# Altium PCB RevA3.PcbDoc (part 1 of 5) (continued)
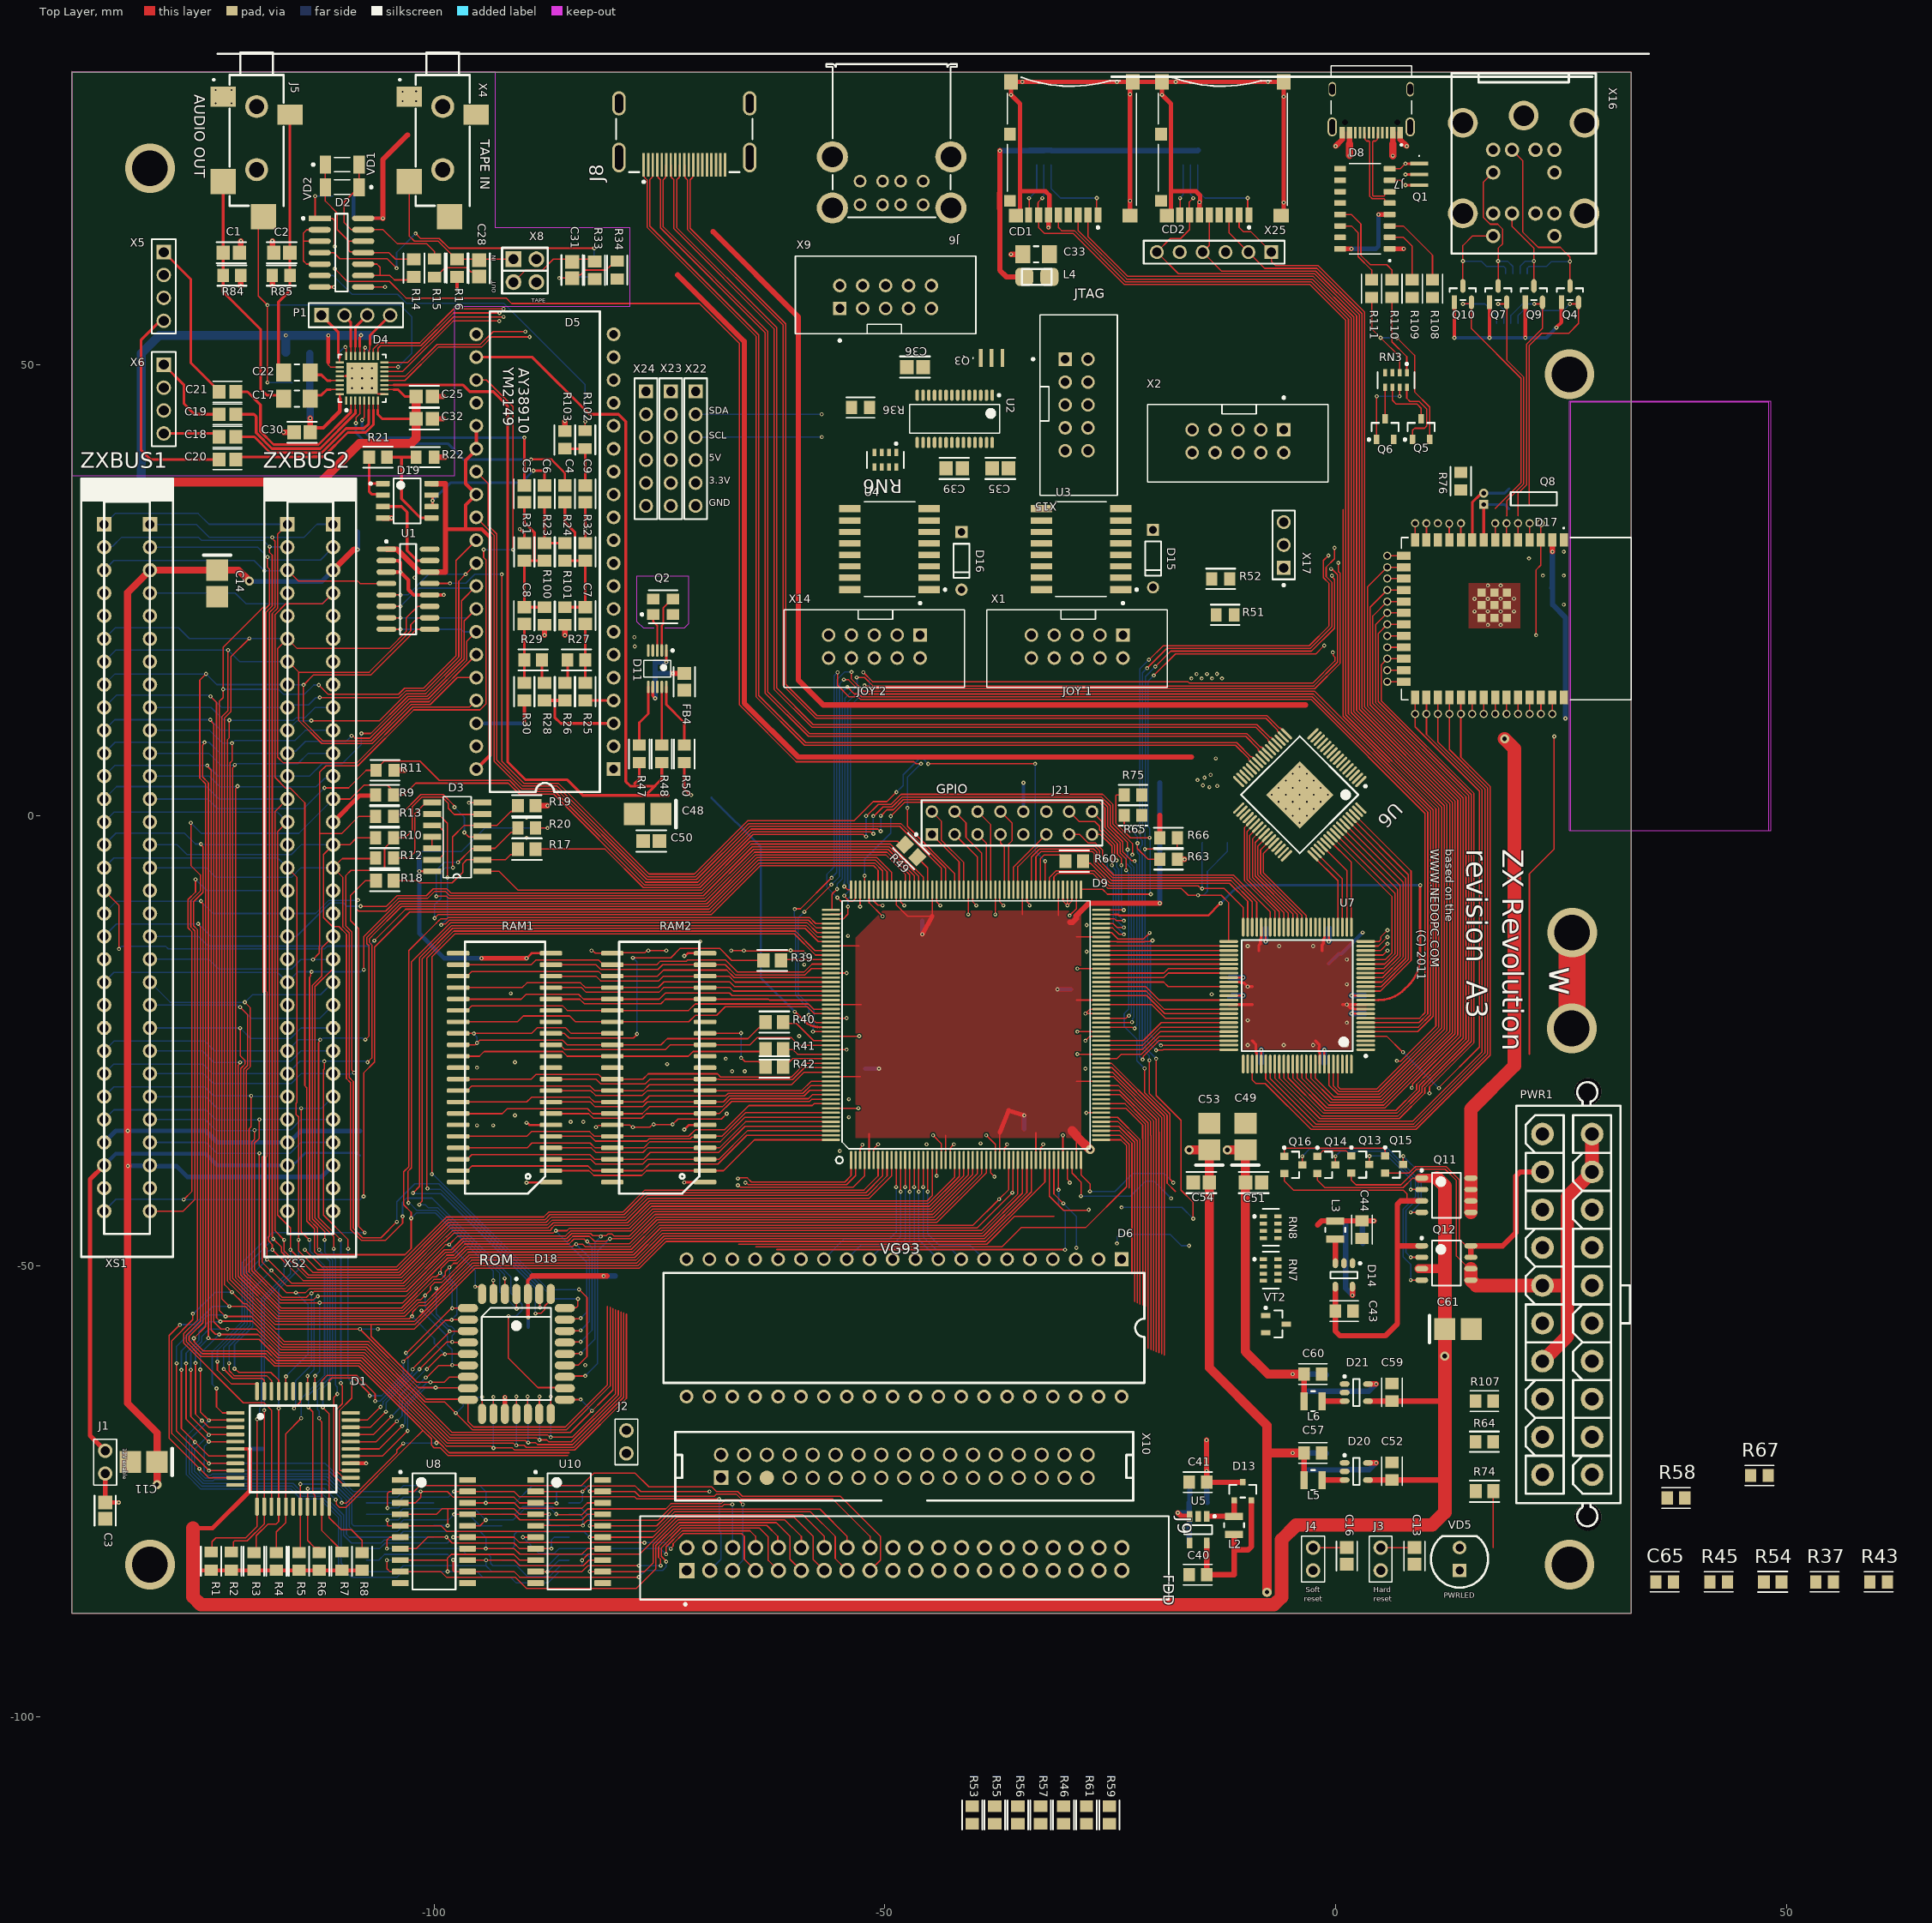
[diagram p0: Top Layer view]
## Components (designator, comment, footprint, x,y, rotation, side; value= is the part's Value field where it differs from the comment) (continued)
D7 "07" SO14 -44.917,-59.5 r90 bottom value=74HCT07
D8 "CH340G" SOIC127P600X180-16N 3.25,67.305 r180 top locked
D9 "EP1K50Q208" PQFP208X5 -53.75,-38.25 r90 top locked
D10 "138" SO16 -59.843,-59.5 r90 bottom value=74HCT138
D11 "Si5351A-B-GT" SLAB-MSOP-10_L -75.25,16.275 r270 top value=SI5351A-B-GT
D12 "06" SO14 -28.715,-59.5 r90 bottom value=74HCT06
D13 "BAT54C,215" FP-SOT23-MFG -10.3,-75 r90 top value=10pF
D14 "NCP1529" TSOP-95-5N 0.924,-51 r270 top
D15 "BAT46" STM-DO-35-2 -20.25,28.497 r270 top
D16 "BAT46" STM-DO-35-2 -41.5,28.247 r270 top
D17 "ESP32-S3-WROOM-1" ESP32S3WROOM1 20.062,21.825 r270 top locked
D18 "SST39SF040-70-4C-NHE" MCHP-PLCC-NH32_L -90.88,-59.76 r0 top locked
D19 "LM358DR" FP-D0008A-MFG -103,34.905 r0 top
D20 "NCP1529" TSOP-95-5N 2.3,-72.8 r0 top
D21 "NCP1529" TSOP-95-5N 2.3,-64.05 r0 top
FB4 "BLM21AG601SN1J" FP-BLM21-0_2-t0_85-e0_5-IPC_A -72.25,14.824 r90 top
J1 "JUMPER" JUMPER_JUMPER(Primary) -136.5,-73.04 r90 top value=PLS-2
J2 "JUMPER" JUMPER_JUMPER(Primary) -78.674,-68.25 r270 top value=PLS-2
J3 "JUMPER" JUMPER_JUMPER(Primary) 5,-81.25 r270 top value=PLS-2
J4 "JUMPER" JUMPER_JUMPER(Primary) -2.5,-81.25 r270 top value=PLS-2
J5 "SJ-3524-SMT-TR" SJ-3524-SMT-TR -116.7,82.15 r270 top
J6 "61400826021" 61400826021 -49.25,74.86 r180 top
J7 "CQ-USB-C16PSMT01" SHENZHEN-CHUANGQIN-TECHNOLOGY_CQ-USB-C16PSMT01 3.95,75.75 r180 top
J8 "685119134923" FP-685119134923-MFG -72.25,77.525 r180 top
J9 "61204021621" FP-61204021621-MFG -47.84,-82.395 r0 top
J21 "87227-8" FP-87227-8-MFG -35.907,-0.844 r0 top value="HEADER 16POS 2.54MM 2ROW"
L1 "L-CHIP" L-CHIP -113.787,51.25 r180 bottom value=1uH
L2 "DFE252012P-2R2M=P2" FP-DFE252012C-MFG -11.25,-78.775 r90 top
L3 "DFE252012P-2R2M=P2" FP-DFE252012C-MFG -0.026,-46 r90 top
L4 "L-CHIP" L-CHIP -31.75,59.75 r180 top value=1uH
L5 "DFE252012P-2R2M=P2" FP-DFE252012C-MFG -2.5,-73.75 r180 top
L6 "DFE252012P-2R2M=P2" FP-DFE252012C-MFG -2.5,-65 r180 top
P1 "61300411121" 61300411121 -108.69,55.5 r0 top value="header 4 pin 2.54mm"
PWR1 "ATXPOWER" ATXPOWER 22.956,-73.163 r90 top locked
Q1 "CSTCE12M0G55Z-R0" MURA-CSTCE_G_V 9.275,71.12 r270 top
Q2 "ABM8G-25.000MHz-B4Y-T" FP-ABM8G-MFG -74.6,23.15 r0 top value=ABM8G-25.000MHZ-B4Y-T
Q3 "CSTCE12M0G55Z-R0" MURA-CSTCE_G_V -38.17,50.75 r0 top
Q4 "BSS138" FP-318-08-IPC_B 26,57.84 r90 top
Q5 "BC817K-25" INF-SOT23_N 9.5,42.85 r90 top
Q6 "BC817K-25" INF-SOT23_N 5.5,42.85 r90 top
Q7 "BSS138" FP-318-08-IPC_B 18.036,57.84 r90 top
Q8 "AB15T-32.768KHZ" ABRA-AB15T-2_V 16.432,35.127 r180 top
Q9 "BSS138" FP-318-08-IPC_B 22,57.84 r90 top
Q10 "BSS138" FP-318-08-IPC_B 14.12,57.84 r90 top
Q11 "IRF7104PBF" SOIC127P600X155-8N 12.285,-42.152 r0 top
Q12 "IRF7104PBF" SOIC127P600X155-8N 12.285,-49.668 r0 top
Q13 "BC807-25LT1G" ONSC-SOT-23-3-318-08_V 2.75,-38.75 r0 top
Q14 "BC807-25LT1G" ONSC-SOT-23-3-318-08_V -1.019,-38.775 r0 top
Q15 "BC807-25LT1G" ONSC-SOT-23-3-318-08_V 6.5,-38.75 r0 top
Q16 "BC807-25LT1G" ONSC-SOT-23-3-318-08_V -4.7,-38.775 r0 top
R1 "RT0805FRE07680RL" FP-RT0805-IPC_A#1 -124.75,-82.748 r270 top value=680Ω
R2 "RT0805FRE07680RL" FP-RT0805-IPC_A#1 -122.5,-82.748 r270 top value=680Ω
R3 "CR0805-JW-103ELF" FP-CR0805-IPC_A -120,-82.774 r90 top value=10kΩ
R4 "CR0805-JW-103ELF" FP-CR0805-IPC_A -117.5,-82.774 r90 top value=10kΩ
R5 "CR0805-JW-103ELF" FP-CR0805-IPC_A -115,-82.774 r90 top value=10kΩ
R6 "CR0805-JW-103ELF" FP-CR0805-IPC_A -112.75,-82.774 r90 top value=10kΩ
R7 "RT0805FRE07680RL" FP-RT0805-IPC_A#1 -110.25,-82.748 r270 top value=680Ω
R8 "CR0805-JW-103ELF" FP-CR0805-IPC_A -108,-82.774 r90 top value=10kΩ
R9 "RT0805FRE07680RL" FP-RT0805-IPC_A#1 -105.498,2.25 r0 top value=680Ω
R10 "RT0805FRE07680RL" FP-RT0805-IPC_A#1 -105.498,-2.5 r0 top value=680Ω
R11 "RT0805FRE07680RL" FP-RT0805-IPC_A#1 -105.45,5 r180 top value=680Ω
R12 "RT0805FRE07680RL" FP-RT0805-IPC_A#1 -105.498,-4.744 r180 top value=680Ω
R13 "RT0805FRE07680RL" FP-RT0805-IPC_A#1 -105.498,-0.1 r180 top value=680Ω
R14 "CRCW080547K0FKEAHP" FP-CRCW0805-HPe3-IPC_A#1 -102.25,60.726 r90 top value=47kΩ
R15 "RT0805FRE07680RL" FP-RT0805-IPC_A#1 -99.95,60.737 r90 top value=680Ω
R16 "CRCW080547K0FKEAHP" FP-CRCW0805-HPe3-IPC_A#1 -97.45,60.726 r90 top value=47kΩ
R17 "RR1220Q-510-D" FP-RR1220-IPC_A -89.726,-3.75 r0 top value=51Ω
R18 "RR1220Q-510-D" FP-RR1220-IPC_A -105.476,-7.25 r180 top value=51Ω
R19 "CRCW08051K00FKEAHP" FP-CRCW0805-HPe3-IPC_A#1 -89.726,1.073 r180 top value=1kΩ
R20 "CR0805-JW-103ELF" FP-CR0805-IPC_A -89.726,-1.4 r0 top value=10kΩ
R21 "RN73C2A15KBTDF" FP-RN732A-IPC_A#1 -106.226,39.75 r180 top value=15KΩ
R22 "RT0805FRE073K3L" FP-RT0805-IPC_A#1 -100.998,39.75 r180 top value=3.3KΩ
R23 "RN73C2A15KBTDF" FP-RN732A-IPC_A#1 -87.75,29.226 r270 top value=15KΩ
R24 "RN73C2A15KBTDF" FP-RN732A-IPC_A#1 -85.5,29.226 r270 top value=15KΩ
R25 "RN73C2A15KBTDF" FP-RN732A-IPC_A#1 -83.25,13.726 r270 top value=15KΩ
R26 "RN73C2A15KBTDF" FP-RN732A-IPC_A#1 -85.5,13.726 r270 top value=15KΩ
R27 "RN73C2A15KBTDF" FP-RN732A-IPC_A#1 -84.226,17.25 r180 top value=15KΩ
R28 "RN73C2A15KBTDF" FP-RN732A-IPC_A#1 -87.75,13.726 r270 top value=15KΩ
R29 "RN73C2A15KBTDF" FP-RN732A-IPC_A#1 -89.024,17.25 r0 top value=15KΩ
R30 "RN73C2A15KBTDF" FP-RN732A-IPC_A#1 -90,13.726 r270 top value=15KΩ
R31 "RN73C2A15KBTDF" FP-RN732A-IPC_A#1 -90,29.226 r90 top value=15KΩ
R32 "RN73C2A15KBTDF" FP-RN732A-IPC_A#1 -83.25,29.226 r90 top value=15KΩ
R33 "CRCW080547K0FKEAHP" FP-CRCW0805-HPe3-IPC_A#1 -82.2,60.476 r90 top value=47kΩ
R34 "RT0805FRE07680RL" FP-RT0805-IPC_A#1 -79.7,60.502 r90 top value=680Ω
R35 "CR0805-JW-222ELF" FP-CR0805-IPC_A -82.25,60.727 r270 bottom value=2.2kΩ
R36 "AC0805FR-072K7L" FP-AC0805-IPC_A -52.706,45.25 r180 top value=2.7KΩ
R37 "RT0805FRE073K3L" FP-RT0805-IPC_A#2 54.249,-85.05 r0 top value=3.3KΩ
R38 "CRCW08051K00FKEAHP" FP-CRCW0805-HPe3-IPC_A#1 -63.975,-96.974 r90 bottom value=1kΩ
R39 "RR1220Q-510-D" FP-RR1220-IPC_A -62.5,-16.1 r180 top value=51Ω
R40 "RR1220Q-510-D" FP-RR1220-IPC_A -62.259,-22.937 r180 top value=51Ω
R41 "RR1220Q-510-D" FP-RR1220-IPC_A -62.259,-25.937 r180 top value=51Ω
R42 "RR1220Q-510-D" FP-RR1220-IPC_A -62.259,-27.914 r180 top value=51Ω
R43 "RT0805FRE073K3L" FP-RT0805-IPC_A#2 60.249,-85.05 r0 top value=3.3KΩ
R44 "CRCW08051K00FKEAHP" FP-CRCW0805-HPe3-IPC_A#1 -48.476,-113.25 r0 bottom value=1kΩ
R45 "CR0805-JW-103ELF" FP-CR0805-IPC_A 42.499,-85.05 r0 top value=10kΩ
R46 "CRCW08051K00FKEAHP" FP-CRCW0805-HPe3-IPC_A#1 -30.18,-110.926 r270 top value=1kΩ
R47 "CR0805-J/-000ELF" FP-CR0805-IPC_A -77.25,6.823 r270 top value=0Ω
R48 "CR0805-J/-000ELF" FP-CR0805-IPC_A -74.75,6.823 r270 top value=0Ω
R49 "RR1220Q-510-D" FP-RR1220-IPC_A -47.099,-3.962 r135 top value=51Ω
R50 "CR0805-J/-000ELF" FP-CR0805-IPC_A -72.25,6.823 r270 top value=0Ω
R51 "RT0805FRE073K3L" FP-RT0805-IPC_A#1 -12.25,22.25 r0 top value=3.3KΩ
R52 "RT0805FRE073K3L" FP-RT0805-IPC_A#1 -12.75,26.25 r0 top value=3.3KΩ
R53 "CR0805-JW-103ELF" FP-CR0805-IPC_A -40.317,-110.926 r90 top value=10kΩ
R54 "ERJ-6ENF1004V" FP-ERJ6EN-IPC_A 48.499,-85.05 r0 top
R55 "CRCW08051K00FKEAHP" FP-CRCW0805-HPe3-IPC_A#1 -37.8,-110.926 r90 top value=1kΩ
R56 "CRCW08051K00FKEAHP" FP-CRCW0805-HPe3-IPC_A#1 -35.25,-110.926 r90 top value=1kΩ
R57 "CRCW08051K00FKEAHP" FP-CRCW0805-HPe3-IPC_A#1 -32.72,-110.926 r90 top value=1kΩ
R58 "CR0805-J/-000ELF" FP-CR0805-IPC_A 37.773,-75.75 r0 top value=0Ω
R59 "CR0805-JW-103ELF" FP-CR0805-IPC_A -25.092,-110.926 r90 top value=10kΩ
R60 "RR1220Q-510-D" FP-RR1220-IPC_A -28.989,-5.079 r0 top value=51Ω
R61 "CR0805-JW-103ELF" FP-CR0805-IPC_A -27.64,-110.926 r90 top value=10kΩ
R62 "CR0805-JW-103ELF" FP-CR0805-IPC_A -25.49,-44.634 r90 bottom value=10kΩ
R63 "CR0805-JW-103ELF" FP-CR0805-IPC_A -18.524,-4.883 r180 top value=10kΩ
R64 "MCR10ERTJ102" FP-MCR10-IPC_A 16.5,-69.5 r0 top value=1kΩ
R65 "CR0805-JW-103ELF" FP-CR0805-IPC_A -22.476,0 r0 top value=10kΩ
R66 "CR0805-JW-103ELF" FP-CR0805-IPC_A -18.534,-2.5 r180 top value=10kΩ
R67 "CR0805-J/-000ELF" FP-CR0805-IPC_A 47.023,-73.25 r0 top value=0Ω
R71 "CR0805-JW-472ELF" FP-CR0805-IPC_A -77,-97 r180 bottom value=4.7kΩ
R72 "CR0805-JW-472ELF" FP-CR0805-IPC_A -83,-93.75 r270 bottom value=4.7kΩ
R73 "CR0805-JW-472ELF" FP-CR0805-IPC_A -77,-92.25 r180 bottom value=4.7kΩ
R74 "RR1220Q-510-D" FP-RR1220-IPC_A 16.524,-75 r0 top value=51Ω
R75 "CR0805-JW-103ELF" FP-CR0805-IPC_A -22.476,2.25 r0 top value=10kΩ
R76 "CR0805-JW-103ELF" FP-CR0805-IPC_A 13.892,37.084 r90 top value=10kΩ
R83 "CRCW08051K00FKEAHP" FP-CRCW0805-HPe3-IPC_A#1 -109.926,68.71 r0 bottom value=1kΩ
R84 "CR0805-JW-103ELF" FP-CR0805-IPC_A -122.427,59.9 r180 top value=10kΩ
R85 "CR0805-JW-103ELF" FP-CR0805-IPC_A -116.976,59.9 r0 top value=10kΩ
R98 "RT0805FRE07680RL" FP-RT0805-IPC_A#1 -13.5,50.502 r90 bottom value=680Ω
R99 "RT0805FRE07680RL" FP-RT0805-IPC_A#1 -11.25,50.502 r90 bottom value=680Ω
R100 "RN73C2A15KBTDF" FP-RN732A-IPC_A#1 -87.75,22.126 r270 top value=15KΩ
R101 "RN73C2A15KBTDF" FP-RN732A-IPC_A#1 -85.5,22.126 r270 top value=15KΩ
R102 "RT0805FRE073K3L" FP-RT0805-IPC_A#1 -83.25,41.687 r90 top value=3.3KΩ
R103 "CRCW08051K00FKEAHP" FP-CRCW0805-HPe3-IPC_A#1 -85.5,41.661 r270 top value=1kΩ
R104 "RT0805FRE07680RL" FP-RT0805-IPC_A#1 -9,50.502 r90 bottom value=680Ω
R105 "RT0805FRE07680RL" FP-RT0805-IPC_A#1 -6.675,50.502 r90 bottom value=680Ω
R106 "RMCF0805JT33K0" FP-RMCF0805-IPC_A#1 -114.799,48 r0 bottom value=33kΩ
R107 "CR0805-JW-472ELF" FP-CR0805-IPC_A 16.5,-65 r0 top value=4.7kΩ
R108 "CR0805-J/-000ELF" FP-CR0805-IPC_A 10.75,58.45 r90 top value=0Ω
R109 "CR0805-J/-000ELF" FP-CR0805-IPC_A 8.5,58.45 r90 top value=0Ω
R110 "CR0805-J/-000ELF" FP-CR0805-IPC_A 6.25,58.45 r90 top value=0Ω
R111 "CR0805-J/-000ELF" FP-CR0805-IPC_A 4,58.45 r90 top value=0Ω
R112 "CRCW080547K0FKEAHP" FP-CRCW0805-HPe3-IPC_A#2 -15.277,-80.75 r0 bottom value=47kΩ
R113 "ERA-6AEB104V" FP-ERA6A-IPC_A -15.201,-74 r0 bottom
R120 "CRCW080522K0JNEA" FP-CRCW0805-e3-IPC_A 2.173,-50 r180 bottom
R121 "ERA-6AEB104V" FP-ERA6A-IPC_A 2.073,-47.5 r0 bottom
R122 "CRCW080522K0JNEA" FP-CRCW0805-e3-IPC_A 1.5,-71.551 r270 bottom
R123 "ERA-6AEB104V" FP-ERA6A-IPC_A -3.5,-71.701 r90 bottom
R124 "RMCF0805JT33K0" FP-RMCF0805-IPC_A#2 1.5,-62.925 r270 bottom value=33kΩ
R125 "ERA-6AEB104V" FP-ERA6A-IPC_A -3.5,-62.951 r90 bottom
R126 "RN73C2A15KBTDF" FP-RN732A-IPC_A#2 -15.227,-78.5 r0 bottom value=15KΩ
R127 "CR0805-JW-103ELF" FP-CR0805-IPC_A -16.25,-65.523 r90 bottom value=10kΩ
RAM1 "MSM5118160F-JS" SOJ42 -87.05,-40.7 r180 top locked
RAM2 "MSM5118160F-JS" SOJ42 -69.95,-40.7 r180 top locked
RN1 "CAT16-1002F4LF" FP-CAT16-F4-MFG -32.75,73 r180 bottom value=10kΩ
RN2 "CAT16-1002F4LF" FP-CAT16-F4-MFG -16.5,73 r180 bottom value=10kΩ
RN3 "CAT16-1002F4LF" FP-CAT16-F4-MFG 6.7,48.3 r180 top value=10kΩ
RN4 "CAT16-1002F4LF" FP-CAT16-F4-MFG 20.063,59.3 r0 bottom value=10kΩ
RN5 "CAT16-1002F4LF" FP-CAT16-F4-MFG 19.05,53.797 r180 bottom value=10kΩ
RN6 "CAT16-1002F4LF" FP-CAT16-F4-MFG -49.95,39.45 r180 top value=10kΩ
RN7 "CAT16-1002F4LF" FP-CAT16-F4-MFG -7.2,-50.45 r270 top value=10kΩ
RN8 "CAT16-1002F4LF" FP-CAT16-F4-MFG -7.2,-45.7 r270 top value=10kΩ
U1 "TLC7524CD" TI-D16_N -102.9,25.095 r0 top
U2 "FE1.1S" TSOP64P600X160-28L -42.25,44 r270 top
U3 "PCF8574T/3,518" FP-SOT162-1-MFG -28.24,29.542 r180 top
U4 "PCF8574T/3,518" FP-SOT162-1-MFG -49.49,29.542 r180 top
U5 "TPS61041DBVR" DBV0005A_M -15.25,-79.25 r270 top
U6 "ADV7513BSWZ" ADI-LQFP-64_M -3.979,2.283 r225 top
U7 "EPM240T100C5" TQFP100_M -4.25,-20 r180 top locked
U8 "SN74ALS374ANSR" NS0020A_M -100.025,-79.465 r0 top locked
U9 "SN74ALS374ANSR" NS0020A_M -103.775,-79.465 r180 bottom
U10 "SN74ALS374ANSR" NS0020A_M -85.025,-79.465 r0 top locked
U11 "SN74ALS374ANSR" NS0020A_M -88.775,-79.465 r180 bottom locked
VD1 "LS4148-GS08" FP-6_560-5006_01-4-MFG -110.2,72.21 r0 top value=LS4148
VD2 "LS4148-GS08" FP-6_560-5006_01-4-MFG -110.2,69.71 r180 top value=LS4148
VD5 "LED" LED100_LED(Primary) 13.75,-81.25 r0 top value=green
VT1 "BC817K-25" INF-SOT23_N 18.25,-67.281 r0 bottom
VT2 "BC817K-25" INF-SOT23_N -6.6,-56.45 r0 top
X1 "N2510-6002RB" 3M-N2510-6002-10_V -28.67,18.73 r180 top value="10-Pin Shrouded Header, 2.54mm"
X2 "N2510-6002RB" 3M-N2510-6002-10_V -10.83,41.52 r180 top value="10-Pin Shrouded Header, 2.54mm"
X4 "SJ-3524-SMT-TR" SJ-3524-SMT-TR -96.05,82.15 r270 top
X5 "61300411121" 61300411121 -130,58.69 r270 top value="header 4 pin 2.54mm"
X6 "61300411121" 61300411121 -130,46.19 r270 top value="header 4 pin 2.54mm"
X8 "PLB2-2" PLB2-2 -91.2,61.71 r0 top value=PLD-4
X9 "N2510-6002RB" 3M-N2510-6002-10_V -49.92,57.52 r0 top value="10-Pin Shrouded Header, 2.54mm"
X10 "FDD34M" FDD34M -68.168,-73.5 r180 top value="Shrouded Header 34 pos 2.54mm 2 row"
X14 "N2510-6002RB" 3M-N2510-6002-10_V -51.17,18.73 r180 top value="10-Pin Shrouded Header, 2.54mm"
X15 "N2510-6002RB" 3M-N2510-6002-10_V -28.73,45.54 r270 top value="10-Pin Shrouded Header, 2.54mm"
X16 "KEYB-MOUSE" MDD-6FR 20.87,77.642 r0 top locked
X17 "22-28-4033" MOLX-22-28-4033_V -5.75,30 r90 top value="header 3 pin, 2.54mm"
X22 "TSW-106-07-G-S" SMTC-TSW-106-07-X-S -71,47.04 r270 top value="6 pin header 2.54mm"
X23 "TSW-106-07-G-S" SMTC-TSW-106-07-X-S -73.75,47.04 r270 top value="6 pin header 2.54mm"
X24 "TSW-106-07-G-S" SMTC-TSW-106-07-X-S -76.5,47.04 r270 top value="6 pin header 2.54mm"
X25 "TSW-106-07-G-S" SMTC-TSW-106-07-X-S -7.13,62.5 r180 top value="6 pin header 2.54mm"
XS1 "ZXSLOT" SLOT62_ZXSLOT(Primary) -131.53,32.29 r0 top
XS2 "ZXSLOT" SLOT62_ZXSLOT(Primary) -111.21,32.29 r0 top locked

## Footprints (in the part's own frame and the unit in brackets; to place one, negate y for a bottom-side part, rotate by r counter-clockwise, add the part's x,y. Pads: shape width x height; smd on the part's side, far side on the other; paste and mask are expansions set on the pad)
3M-N2510-6002-10_V [mm] "Header, 10-Leads, Body 20.02x8.59mm, Pitch 2.54mm"
  rect 1.5x1.5 hole 0.97: 1(-5.08,-1.27)
  round 1.5 hole 0.97: 2(-5.08,1.27) 3(-2.54,-1.27) 4(-2.54,1.27) 5(0,-1.27) 6(0,1.27) 7(2.54,-1.27) 8(2.54,1.27) 9(5.08,-1.27) 10(5.08,1.27)
  silkscreen extent -10.01,-4.95 10.01,4.52, body extent -10.01,-4.11 10.01,4.52, height 9.92
61300411121 [mm] "Pin Header, pitch 2.54 mm, THT, Vertical, single row, 4p"
  rect 1.6x1.6 hole 1.1: 1(-3.81,0)
  round 1.6 hole 1.1: 2(-1.27,0) 3(1.27,0) 4(3.81,0)
  silkscreen extent -5.23,-1.35 5.23,1.35, body extent -5.08,-1.27 5.08,1.27, height 8.57
61400826021 [mm] "USB 2.0 Type A Horizontal Dual Stacked"
  round 1.42 hole 0.92: 1(-3.5,7.11) 2(-1,7.11) 3(1,7.11) 4(3.5,7.11) 5(-3.5,4.49) 6(-1,4.49) 7(1,4.49) 8(3.5,4.49)
  round 3.45 hole 2.3: Shell(-6.57,7.46) Shell(-6.57,1.78) Shell(6.57,7.46) Shell(6.57,1.78)
  silkscreen extent -7.25,-8.5 7.25,8.5, body extent -7.91,-8.5 7.91,8.65, height 15.93
ABRA-AB15T-2_V [mm] "THD, 2-Leads, Body 5.1x1.5mm, Height 1.5mm"
  rect 1x1 hole 0.5: 1(0,0.627)
  round 1 hole 0.5: 2(0,-0.627)
  silkscreen extent -8.1,-0.75 -3,0.75, body extent -8.1,-0.74 0.1,0.77, height 1.5
ADI-LQFP-64_M [mm] "LQFP, 64-Leads, Body 10.00x10.00mm, Pitch 0.50mm, Thermal Pad 5.30x5.30mm, IPC Low Density"
  oval 1.65x0.3 smd: 1(-5.825,3.75) 2(-5.825,3.25) 3(-5.825,2.75) 4(-5.825,2.25) 5(-5.825,1.75) 6(-5.825,1.25) 7(-5.825,0.75) 8(-5.825,0.25) 9(-5.825,-0.25) 10(-5.825,-0.75) 11(-5.825,-1.25) 12(-5.825,-1.75) 13(-5.825,-2.25) 14(-5.825,-2.75) 15(-5.825,-3.25) 16(-5.825,-3.75) 33(5.825,-3.75) 34(5.825,-3.25) 35(5.825,-2.75) 36(5.825,-2.25) 37(5.825,-1.75) 38(5.825,-1.25) 39(5.825,-0.75) 40(5.825,-0.25) 41(5.825,0.25) 42(5.825,0.75) 43(5.825,1.25) 44(5.825,1.75) 45(5.825,2.25) 46(5.825,2.75) 47(5.825,3.25) 48(5.825,3.75)
  oval 0.3x1.65 smd: 17(-3.75,-5.825) 18(-3.25,-5.825) 19(-2.75,-5.825) 20(-2.25,-5.825) 21(-1.75,-5.825) 22(-1.25,-5.825) 23(-0.75,-5.825) 24(-0.25,-5.825) 25(0.25,-5.825) 26(0.75,-5.825) 27(1.25,-5.825) 28(1.75,-5.825) 29(2.25,-5.825) 30(2.75,-5.825) 31(3.25,-5.825) 32(3.75,-5.825) 49(3.75,5.825) 50(3.25,5.825) 51(2.75,5.825) 52(2.25,5.825) 53(1.75,5.825) 54(1.25,5.825) 55(0.75,5.825) 56(0.25,5.825) 57(-0.25,5.825) 58(-0.75,5.825) 59(-1.25,5.825) 60(-1.75,5.825) 61(-2.25,5.825) 62(-2.75,5.825) 63(-3.25,5.825) 64(-3.75,5.825)
  rect 5.3x5.3 smd: 65(0,0)
  silkscreen extent -5.95,-4.6 4.6,4.6, body extent -5,-5 5,5, height 1.6
ATXPOWER [mm]
  round 2.5 hole 1.5: 1(0,0) 2(4.2,0) 3(8.4,0) 4(12.6,0) 5(16.8,0) 6(21,0) 7(25.2,0) 8(29.4,0) 9(33.6,0) 10(37.8,0) 11(0,-5.5) 12(4.2,-5.5) 13(8.4,-5.5) 14(12.6,-5.5) 15(16.8,-5.5) 16(21,-5.5) 17(25.2,-5.5) 18(29.4,-5.5) 19(33.6,-5.5) 20(37.8,-5.5)
  round 3 hole 3 unplated: 21(-4.7,-5.04) 22(42.5,-5.04)
  silkscreen extent -5.72,-9.7 43.57,2.9, body extent -5.7,-8.8 43.5,2.1, height 13
AVX-TAJ-B-2_M [mm] "Molded Capacitor, 2-Leads, Body 3.7x3mm, IPC Low Density"
  rect 2.35x2.45 smd: 1(-1.475,0) 2(1.475,0)
  silkscreen extent -3.15,-1.5 -3.15,1.5, body extent -2.07,-1.5 2.07,1.5, height 2.1
CAPC3216X190X55ML30T25 [mm] "Chip Capacitor, 2-Leads, Body 3.5x1.9mm, IPC Low Density"
  rect 1.65x2 smd: 1(-1.475,0) 2(1.475,0)
  silkscreen extent -0.25,-0.9 0.25,0.9, body extent -1.75,-0.95 1.75,0.95, height 1.9
DBV0005A_M [mm] "SOT23, 5-Leads, Body 3.05x1.75mm, Pitch 0.95mm, IPC Low Density"
  rrect15% 1.2x0.65 smd: 1(-1.475,0.95) 2(-1.475,0) 3(-1.475,-0.95) 4(1.475,-0.95) 5(1.475,0.95)
  silkscreen extent -1.6,-1.55 0.5,1.95, body extent -1.42,-1.46 1.42,1.46, height 1.08
DIP40 [mil]
  rect 60x60 hole 38: 1(0,0)
  round 60 hole 38: 2(0,-100) 3(0,-200) 4(0,-300) 5(0,-400) 6(0,-500) 7(0,-600) 8(0,-700) 9(0,-800) 10(0,-900) 11(0,-1000) 12(0,-1100) 13(0,-1200) 14(0,-1300) 15(0,-1400) 16(0,-1500) 17(0,-1600) 18(0,-1700) 19(0,-1800) 20(0,-1900) 21(600,-1900) 22(600,-1800) 23(600,-1700) 24(600,-1600) 25(600,-1500) 26(600,-1400) 27(600,-1300) 28(600,-1200) 29(600,-1100) 30(600,-1000) 31(600,-900) 32(600,-800) 33(600,-700) 34(600,-600) 35(600,-500) 36(600,-400) 37(600,-300) 38(600,-200) 39(600,-100) 40(600,0)
  silkscreen extent 60,-2000 540,100, body extent -49,-1947 647,49, height 177
ESP32S3WROOM1 [mm]
  rect 1.5x0.9 smd: 1(-8.75,5.26) 2(-8.75,3.99) 3(-8.75,2.72) 4(-8.75,1.45) 5(-8.75,0.18) 6(-8.75,-1.09) 7(-8.75,-2.36) 8(-8.75,-3.63) 9(-8.75,-4.9) 10(-8.75,-6.17) 11(-8.75,-7.44) 12(-8.75,-8.71) 13(-8.75,-9.98) 14(-8.75,-11.25) 27(8.75,-11.25) 28(8.75,-9.98) 29(8.75,-8.71) 30(8.75,-7.44) 31(8.75,-6.17) 32(8.75,-4.9) 33(8.75,-3.63) 34(8.75,-2.36) 35(8.75,-1.09) 36(8.75,0.18) 37(8.75,1.45) 38(8.75,2.72) 39(8.75,3.99) 40(8.75,5.26)
  rect 0.9x1.5 smd: 15(-6.985,-12.5) 16(-5.715,-12.5) 17(-4.445,-12.5) 18(-3.175,-12.5) 19(-1.905,-12.5) 20(-0.635,-12.5) 21(0.635,-12.5) 22(1.905,-12.5) 23(3.175,-12.5) 24(4.445,-12.5) 25(5.715,-12.5) 26(6.985,-12.5)
  rect 0.9x0.9 smd: EPAD(-2.9,-2.46) EPAD(-2.9,-1.06) EPAD(-2.9,-3.86) EPAD(-1.5,-1.06) EPAD(-1.5,-2.46) EPAD(-1.5,-3.86) EPAD(-0.1,-1.06) EPAD(-0.1,-2.46) EPAD(-0.1,-3.86)
  Keep-Out Layer, Board region: -24,6 23.5,6 23.5,28 -24,28
  silkscreen extent -10.1,-12.75 9,12.75, body extent -9.04,-12.75 9.03,12.79, height 3
FDD34M [mm]
  rect 1.6x1.6 hole 1.1: 1(0,0)
  round 1.6 hole 1.1: 2(0,-2.54) 3(-2.54,0) 4(-2.54,-2.54) 6(-5.08,-2.54) 7(-7.62,0) 8(-7.62,-2.54) 9(-10.16,0) 10(-10.16,-2.54) 11(-12.7,0) 12(-12.7,-2.54) 13(-15.24,0) 14(-15.24,-2.54) 15(-17.78,0) 16(-17.78,-2.54) 17(-20.32,0) 18(-20.32,-2.54) 19(-22.86,0) 20(-22.86,-2.54) 21(-25.4,0) 22(-25.4,-2.54) 23(-27.94,0) 24(-27.94,-2.54) 25(-30.48,0) 26(-30.48,-2.54) 27(-33.02,0) 28(-33.02,-2.54) 29(-35.56,0) 30(-35.56,-2.54) 31(-38.1,0) 32(-38.1,-2.54) 33(-40.64,0) 34(-40.64,-2.54)
  round 1.6 smd: 5(-5.08,0)
  silkscreen extent -45.72,-5.08 5.08,2.54, body extent -45.81,-5.67 5.17,3.23, height 9.1
FP-6_560-5006_01-4-MFG [mm]
  rect 1.25x2 smd paste+0 mask+0: 1(-1.875,0) 2(1.875,0)
  silkscreen extent -3.35,-0.8 0.87,0.8, body extent -2.6,-1.1 2.6,1.1, height 0.25
FP-318-08-IPC_B [mm]
  rect 1.524x0.578 smd paste+0 mask+0: 1(-0.91,0.95)
  rrect100% 1.524x0.578 smd paste+0 mask+0: 2(-0.91,-0.95) 3(0.91,0)
  silkscreen extent -0.65,-1.45 0.65,1.45, body extent -1.92,-1.7 1.92,1.7, height 0.25
FP-87227-8-MFG [mil]
  rect 54.69x54.69 hole 35 paste-39370.1 mask+0: 1(-350,-50)
  round 54.69 hole 35 paste-39370.1 mask+0: 2(-350,50) 3(-250,-50) 4(-250,50) 5(-150,-50) 6(-150,50) 7(-50,-50) 8(-50,50) 9(50,-50) 10(50,50) 11(150,-50) 12(150,50) 13(250,-50) 14(250,50) 15(350,-50) 16(350,50)
  silkscreen extent -423,-98 394,98, body extent -398,-102 398,102, height 10
FP-61204021621-MFG [mm]
  rect 1.7x1.7 hole 1.1 paste-1000 mask+0: 1(-24.13,-1.395)
  round 1.7 hole 1.1 paste-1000 mask+0: 2(-24.13,1.145) 3(-21.59,-1.395) 4(-21.59,1.145) 5(-19.05,-1.395) 6(-19.05,1.145) 7(-16.51,-1.395) 8(-16.51,1.145) 9(-13.97,-1.395) 10(-13.97,1.145) 11(-11.43,-1.395) 12(-11.43,1.145) 13(-8.89,-1.395) 14(-8.89,1.145) 15(-6.35,-1.395) 16(-6.35,1.145) 17(-3.81,-1.395) 18(-3.81,1.145) 19(-1.27,-1.395) 20(-1.27,1.145) 21(1.27,-1.395) 22(1.27,1.145) 23(3.81,-1.395) 24(3.81,1.145) 25(6.35,-1.395) 26(6.35,1.145) 27(8.89,-1.395) 28(8.89,1.145) 29(11.43,-1.395) 30(11.43,1.145) 31(13.97,-1.395) 32(13.97,1.145) 33(16.51,-1.395) 34(16.51,1.145) 35(19.05,-1.395) 36(19.05,1.145) 37(21.59,-1.395) 38(21.59,1.145) 39(24.13,-1.395) 40(24.13,1.145)
  silkscreen extent -29.33,-5.27 29.33,4.62, body extent -29.43,-4.72 29.43,4.72, height 0.25
FP-685119134923-MFG [mm]
  rect 0.28x2.6 smd paste+0 mask+0: 1(4.5,5.325) 2(4,5.325) 3(3.5,5.325) 4(3,5.325) 5(2.5,5.325) 6(2,5.325) 7(1.5,5.325) 8(1,5.325) 9(0.5,5.325) 10(0,5.325) 11(-0.5,5.325) 12(-1,5.325) 13(-1.5,5.325) 14(-2,5.325) 15(-2.5,5.325) 16(-3,5.325) 17(-3.5,5.325) 18(-4,5.325) 19(-4.5,5.325)
  rrect100% 1.5x3.3 hole 2.7 slot 0.9 at 0 deg paste-1000 mask+0: 20(-7.25,4.525) 21(7.25,4.525)
  rrect100% 1.5x2.7 hole 2.1 slot 0.9 at 0 deg paste-1000 mask+0: 22(-7.25,-1.475) 23(7.25,-1.475)
  silkscreen extent -7.57,0.25 7.57,7.35, body extent -8.1,-6.25 8.1,6.73, height 0.25
FP-ABM8G-MFG [mm]
  rect 1.4x1.2 smd paste+0 mask+0: 1(-1.1,-0.85) 2(1.1,-0.85) 3(1.1,0.85) 4(-1.1,0.85)
  silkscreen extent -2.47,-1.83 1.6,1.83, body extent -1.9,-1.55 1.9,1.55, height 0.25
FP-AC0805-IPC_A [mm]
  rect 1.208x1.462 smd paste+0 mask+0: 1(-1.002,0) 2(1.002,0)
  silkscreen extent -1.61,-1.13 1.61,1.13, body extent -2.11,-1.23 2.11,1.23, height 0.25
FP-BLM21-0_2-t0_85-e0_5-IPC_A [mm]
  rect 1.455x1.556 smd paste+0 mask+0: 1(-0.926,0) 2(0.926,0)
  silkscreen extent -1.65,-1.18 1.65,1.18, body extent -1,-0.63 1,0.62, height 1.05
FP-C0805C-DG-IPC_A#1 [mm]
  rect 1.505x1.556 smd paste+0 mask+0: 1(-0.901,0) 2(0.901,0)
  silkscreen extent -1.65,-1.18 1.65,1.18, body extent -1,-0.63 1,0.63, height 1.4
FP-C0805C-DG-IPC_A#2 [mm]
  rect 1.258x1.462 smd paste+0 mask+0: 1(-0.977,0) 2(0.977,0)
  silkscreen extent -1.61,-1.13 1.61,1.13, body extent -1,-0.62 1,0.63, height 1.4
FP-C0805C-DN-IPC_A [mm]
  rect 1.505x1.556 smd paste+0 mask+0: 1(-0.901,0) 2(0.901,0)
  silkscreen extent -1.65,-1.18 1.65,1.18, body extent -1,-0.63 1,0.63, height 0.88
FP-CAT16-F4-MFG [mm]
  rect 0.425x0.8 smd paste+0 mask+0: 1(-1.2,-0.8) 2(-0.4,-0.8) 3(0.4,-0.8) 4(1.2,-0.8) 5(1.2,0.8) 6(0.4,0.8) 7(-0.4,0.8) 8(-1.2,0.8)
  silkscreen extent -2.05,-1.92 2.05,0.9, body extent -1.6,-0.75 1.6,0.85, height 0.6
FP-CC0805-0_85-IPC_A#1 [mm]
  rect 1.505x1.556 smd paste+0 mask+0: 1(-0.901,0) 2(0.901,0)
  silkscreen extent -1.65,-1.18 1.65,1.18, body extent -2.15,-1.28 2.15,1.28, height 0.25
FP-CC0805-0_85-IPC_A#2 [mm]
  rect 1.258x1.462 smd paste+0 mask+0: 1(-0.977,0) 2(0.977,0)
  silkscreen extent -1.61,-1.13 1.61,1.13, body extent -1,-0.63 1,0.62, height 0.95
FP-CL21-IPC_A [mm]
  rect 1.455x1.556 smd paste+0 mask+0: 1(-0.926,0) 2(0.926,0)
  silkscreen extent -1.65,-1.18 1.65,1.18, body extent -1,-0.63 1,0.63, height 1.45
FP-CR0805-IPC_A [mm]
  rect 1.258x1.462 smd paste+0 mask+0: 1(-0.977,0) 2(0.977,0)
  silkscreen extent -1.61,-1.13 1.61,1.13, body extent -2.11,-1.23 2.11,1.23, height 0.25
FP-CRCW0805-e3-IPC_A [mil]
  rect 47.5x59.38 smd paste+0 mask+0: 1(-41.37,0) 2(41.37,0)
  silkscreen extent -3,-25 3,25, body extent -39,-25 39,25, height 20
FP-CRCW0805-HPe3-IPC_A#1 [mm]
  rect 1.306x1.508 smd paste+0 mask+0: 1(-0.976,0) 2(0.976,0)
  silkscreen extent -1.63,-1.15 1.63,1.15, body extent -2.13,-1.25 2.13,1.25, height 0.25
FP-CRCW0805-HPe3-IPC_A#2 [mm]
  rect 1.258x1.462 smd paste+0 mask+0: 1(-0.977,0) 2(0.977,0)
  silkscreen extent -1.61,-1.13 1.61,1.13, body extent -1,-0.63 1,0.63, height 0.6
FP-D0008A-MFG [mm]
  rrect17% 1.55x0.6 smd paste+0 mask+0: 1(-2.7,1.905) 2(-2.7,0.635) 3(-2.7,-0.635) 4(-2.7,-1.905) 5(2.7,-1.905) 6(2.7,-0.635) 7(2.7,0.635) 8(2.7,1.905)
  silkscreen extent -4.17,-2.5 1.5,2.5, body extent -3.57,-2.75 3.57,2.75, height 0.25
FP-D0014A-IPC_A [mm]
  rect 2.474x0.622 smd paste+0 mask+0: 1(-2.416,3.81)
  rrect100% 2.474x0.622 smd paste+0 mask+0: 2(-2.416,2.54) 3(-2.416,1.27) 4(-2.416,0) 5(-2.416,-1.27) 6(-2.416,-2.54) 7(-2.416,-3.81) 8(2.416,-3.81) 9(2.416,-2.54) 10(2.416,-1.27) 11(2.416,0) 12(2.416,1.27) 13(2.416,2.54) 14(2.416,3.81)
  silkscreen extent -4.37,-4.33 0.68,4.33, body extent -4.15,-4.82 4.15,4.82, height 0.25
FP-DFE252012C-MFG [mm]
  rect 0.8x2 smd paste+0 mask+0: 1(-1,0) 2(1,0)
  silkscreen extent -0.23,-1.1 0.23,1.1, body extent -1.5,-1.2 1.5,1.2, height 0.25
FP-ERA6A-IPC_A [mm]
  rect 1.405x1.462 smd paste+0 mask+0: 1(-0.951,0) 2(0.951,0)
  silkscreen extent -1.65,-1.13 1.65,1.13, body extent -1,-0.63 1,0.63, height 0.6
FP-ERJ6EN-IPC_A [mm]
  rect 1.355x1.462 smd paste+0 mask+0: 1(-0.976,0) 2(0.976,0)
  silkscreen extent -1.65,-1.13 1.65,1.13
FP-GCM21B-0_15-IPC_A [mm]
  rect 1.406x1.508 smd paste+0 mask+0: 1(-0.926,0) 2(0.926,0)
  silkscreen extent -1.63,-1.15 1.63,1.15, body extent -2.13,-1.25 2.13,1.25, height 0.25
FP-MCR10-IPC_A [mm]
  rect 1.258x1.462 smd paste+0 mask+0: 1(-0.977,0) 2(0.977,0)
  silkscreen extent -1.61,-1.13 1.61,1.13, body extent -2.11,-1.23 2.11,1.23, height 0.25
FP-RMCF0805-IPC_A#1 [mm]
  rect 1.355x1.462 smd paste+0 mask+0: 1(-0.976,0) 2(0.976,0)
  silkscreen extent -1.65,-1.13 1.65,1.13, body extent -1,-0.63 1,0.63, height 0.65
FP-RMCF0805-IPC_A#2 [mm]
  rect 1.258x1.462 smd paste+0 mask+0: 1(-0.977,0) 2(0.977,0)
  silkscreen extent -1.61,-1.13 1.61,1.13, body extent -1,-0.62 1,0.63, height 0.65
FP-RN732A-IPC_A#1 [mm]
  rect 1.306x1.508 smd paste+0 mask+0: 1(-0.976,0) 2(0.976,0)
  silkscreen extent -1.63,-1.15 1.63,1.15, body extent -2.13,-1.25 2.13,1.25, height 0.25
FP-RN732A-IPC_A#2 [mm]
  rect 1.258x1.462 smd paste+0 mask+0: 1(-0.977,0) 2(0.977,0)
  silkscreen extent -1.61,-1.13 1.61,1.13, body extent -1,-0.63 1,0.63, height 0.65
FP-RR1220-IPC_A [mm]
  rect 1.355x1.556 smd paste+0 mask+0: 1(-0.976,0) 2(0.976,0)
  silkscreen extent -1.65,-1.18 1.65,1.18, body extent -2.15,-1.28 2.15,1.28, height 0.25
FP-RT0805-IPC_A#1 [mm]
  rect 1.208x1.462 smd paste+0 mask+0: 1(-1.002,0) 2(1.002,0)
  silkscreen extent -1.61,-1.13 1.61,1.13, body extent -1,-0.63 1,0.63, height 0.6
FP-RT0805-IPC_A#2 [mm]
  rect 1.258x1.462 smd paste+0 mask+0: 1(-0.977,0) 2(0.977,0)
  silkscreen extent -1.61,-1.13 1.61,1.13, body extent -1,-0.63 1,0.63, height 0.6
FP-SOT23-MFG [mm]
  rect 0.7x0.6 smd paste-1000 mask+0: 1(-1,0.95) 2(-1,-0.95) 3(1,0)
  silkscreen extent -0.7,-1.5 0.7,1.5, body extent -1.5,-1.65 1.5,1.65, height 0.25
FP-SOT162-1-MFG [mm]
  rect 2.4x0.8 smd paste+0 mask+0: 1(-4.4,4.495) 8(-4.4,-4.495) 9(4.4,-4.495) 16(4.4,4.495)
  rect 2.4x0.7 smd paste+0 mask+0: 2(-4.4,3.175) 3(-4.4,1.905) 4(-4.4,0.635) 5(-4.4,-0.635) 6(-4.4,-1.905) 7(-4.4,-3.175) 10(4.4,-3.175) 11(4.4,-1.905) 12(4.4,-0.635) 13(4.4,0.635) 14(4.4,1.905) 15(4.4,3.175)
  silkscreen extent -6.29,-5.25 2.83,5.25, body extent -5.72,-5.95 5.72,5.95, height 0.25
INF-SOT23_N [mm] "SOT23, 3-Leads, Body 2.9x1.3 mm, Pitch 0.95 mm, IPC Medium Density"
  rect 1.05x0.6 smd: 1(-1.15,0.95) 2(-1.15,-0.95) 3(1.15,0)
  silkscreen extent -1.27,-1.5 0.7,1.92, body extent -1.2,-1.46 1.2,1.46, height 1.2
JUMPER_JUMPER(Primary) [mm]
  round 1.6 hole 1: 0(0,0) 1(2.54,0)
  silkscreen extent -1.27,-1.27 3.81,1.27, body extent -1.27,-1.27 3.81,1.27, height 8.54